# Altium PCB UPCNSL-ABS-FLS-ARD_v1.2.PcbDoC (part 2 of 2)
Units mm, origin at the board's own origin, x right, y up, seen from the top; angles counter-clockwise.
Board outline 96 x 90 mm, 2 copper layers (Top Layer, Bottom Layer), stack 1.671 mm thick; 119 components, 153 nets, 577 pads, 125 vias.
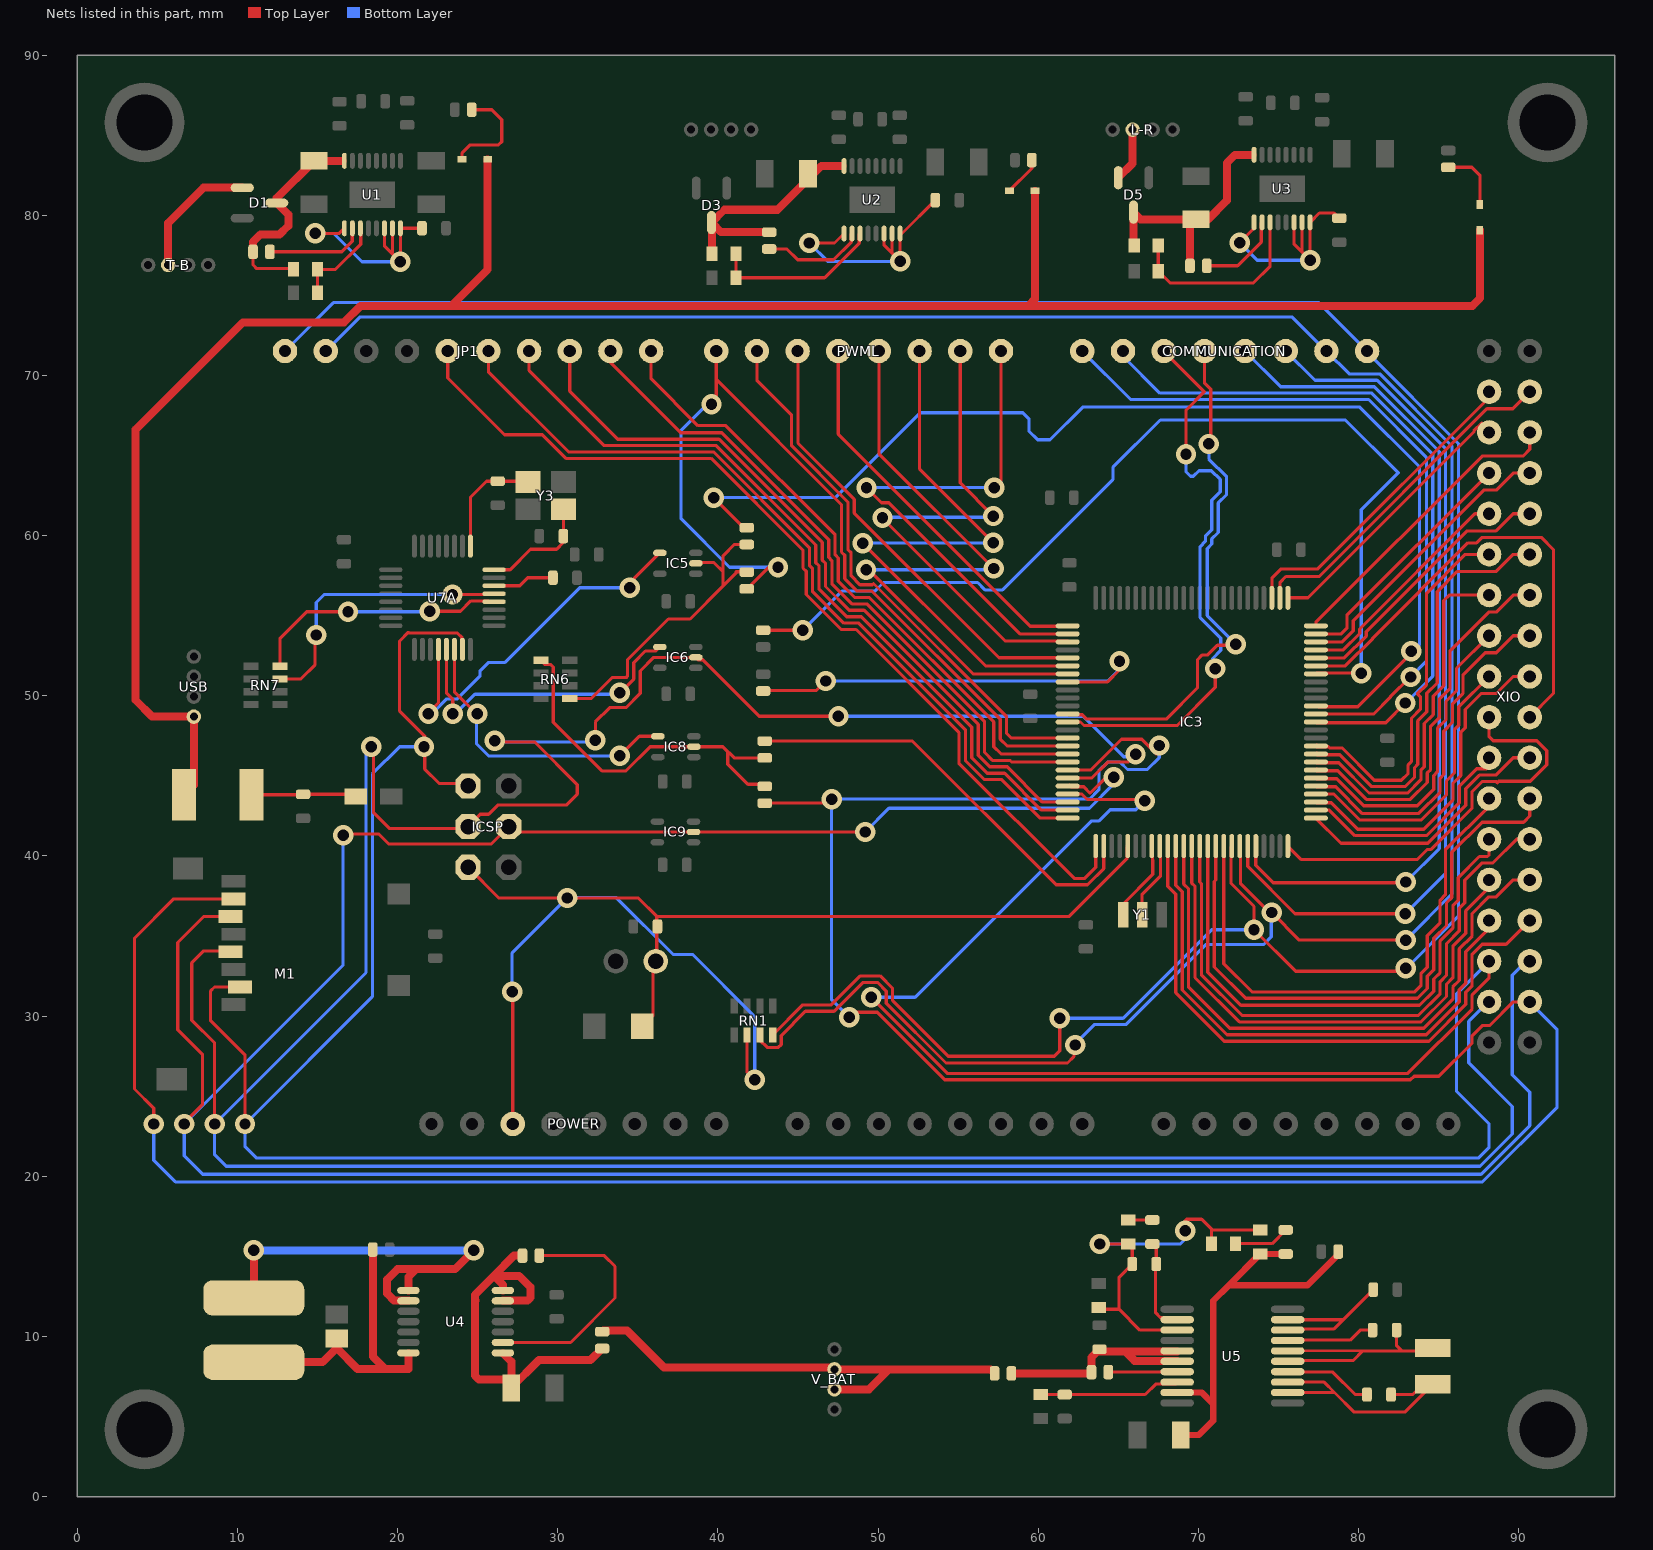
[diagram p2: the nets of this part, all layers, seen from the top]

## Via types
v1: diameter 1.27, hole 0.711, Top Layer to Bottom Layer, 125 vias

## Nets (pads, with @x,y where several pads share a name; then routed paths per layer and width w, separated by ;. In a path a pad name is that pad's centre, name@x,y a point inside that pad or via, vN(x,y) a via of type N, cw(c..) or ccw(c..) an arc to the next point about the centre after c; other vN are vias at no path point) (continued)
NetC34_2: C34.2 J5.2 J5_a.2 U5.5 U5.6 | length 15.1
  Top Layer w0.5: J5.2@58.325,7.7 63.25,7.7 J5_a.2@63.325,7.775 63.325,8.7 C34.2@63.825,9.2 63.825,9.075 65.425,9.075 ; U5.6@68.675,8.475 66.025,8.475 65.975,8.525 65.425,9.075 ; U5.5@68.675,9.075 65.425,9.075
NetC35_1: C35.1 L5.1 U5.15 U5.16 | length 17.8
  Top Layer w0.2: U5.15@75.575,8.45 75.625,8.5 79.675,8.5 80.275,9.1 82.69,9.1 ; U5.16@75.575,9.1 75.6,9.125 82.69,9.1 ; C35.1@82.375,10.4 82.375,9.415 82.69,9.1 ; L5.1@84.335,9.593 83.843,9.1 82.69,9.1
NetC35_2: C35.2 U5.17 | length 5.6
  Top Layer w0.2: U5.17@75.575,9.75 75.6,9.775 79.475,9.775 80.1,10.4 C35.2@80.875,10.4
NetC36_1: C36.1 L5.2 U5.12 U5.13 | length 16.2
  Top Layer w0.2: U5.12@75.575,6.5 78.5,6.5 ; U5.13@75.575,7.15 77.85,7.15 78.5,6.5 ; C36.1@82.025,6.375 83.388,6.375 L5.2@84.335,7.323 ; L5.2@84.625,7.015 82.885,5.275 79.725,5.275 78.5,6.5
NetC36_2: C36.2 U5.14 | length 5.5
  Top Layer w0.2: U5.14@75.575,7.8 75.6,7.775 78.4,7.775 79.8,6.375 C36.2@80.525,6.375
NetC37_2: C37.2 U5.18 U5.19 | length 9.9
  Top Layer w0.2: U5.18@75.575,10.4 75.65,10.475 78.475,10.475 79.05,11.05 ; U5.19@75.575,11.05 79.05,11.05 ; C37.2@80.925,12.925 79.05,11.05
NetC38_2: C38.2 R13.2 U5.8 | length 8.8
  Top Layer w0.2: R13.2@60.15,6.375 C38.2@61.65,6.375 66.675,6.375 67.325,7.025 68.55,7.025 U5.8@68.675,7.15
NetC39_1: C39.1 R14.1 R15.1 R16.1 R17.2 U5.3 | length 24.3
  Top Layer w0.2: R17.2@63.775,11.8 63.875,11.7 65.05,11.7 ; v1(63.85,15.775) R14.1@65.625,15.775 65.875,15.525 C39.1@65.875,14.525 65.05,13.7 65.05,11.7 ; U5.3@68.675,10.4 66.35,10.4 65.05,11.7 ; v1(69.175,16.6) 69.175,17.225 69.275,17.325 70.2,17.325 70.825,16.7 ; R16.1@70.825,15.8 70.825,16.7 ; R15.1@73.85,16.65 70.875,16.65 70.825,16.7
  Bottom Layer w0.2: v1(63.85,15.775) 68.875,15.775 69.25,16.15 69.175,16.225 v1(69.175,16.6)
NetC39_2: C39.2 C40.1 U5.2 | length 6
  Top Layer w0.2: C40.1@67.125,15.775 67.375,15.525 C39.2@67.375,14.525 67.325,14.525 67.325,11.483 67.633,11.175 68.55,11.175 U5.2@68.675,11.05
NetC40_2: C40.2 R14.2 | length 1.5
  Top Layer w0.2: R14.2@65.625,17.275 C40.2@67.125,17.275
NetC41_1: C41.1 C42.1 J5_OUT.1 R15.2 U5.9 | length 25.9
  Top Layer w0.4: U5.9@68.675,6.5 70.2,6.5 70.925,5.775 ; C42.1@68.975,3.85 70.025,3.85 70.925,4.75 70.925,5.775 ; C41.1@75.45,15.15 R15.2@73.85,15.15 71.888,13.187 ; J5_OUT.1@78.725,15.3 78.725,15.122 76.79,13.187 71.888,13.187 ; 70.925,5.775 70.925,12.225 71.888,13.187
NetC41_2: C41.2 R16.2 | length 3.5
  Top Layer w0.2: R16.2@72.325,15.8 74.6,15.8 C41.2@75.45,16.65
NetC51_1: C51.1 F2.1 L7.2 | length 6.3
  Top Layer w0.2: F2.1@10.875,43.825 C51.1@13.825,43.825 ; C51.1@14.1,43.85 17.25,43.85 L7.2@17.4,43.7
NetC52_2: C52.2 U7A.25 Y3.1 | length 6.7
  Top Layer w0.2: U7A.25@24.55,59.75 24.55,62.4 25.55,63.4 C52.2@26.25,63.4 28.1,63.4 Y3.1@28.15,63.35
NetC53_2: C53.2 U7A.24 Y3.3 | length 6.7
  Top Layer w0.2: U7A.24@26.025,57.875 27.025,57.875 28.3,59.15 29.925,59.15 C53.2@30.35,59.575 ; C53.2@30.35,59.975 Y3.3@30.35,61.65
NetC54_1: C54.1 U7A.22 | length 3.9
  Top Layer w0.2: U7A.22@26.025,56.875 27.625,56.875 28.125,57.375 C54.1@29.7,57.375
NetJ1_a_1: J1_a.1 U1.2 | length 6.2
  Top Layer w0.2: J1_a.1@12.025,77.725 16.525,77.725 17.175,78.375 U1.2@17.175,79.193
NetJ2_a_1: J2_a.1 U2.2 | length 6.4
  Top Layer w0.2: J2_a.1@43.2,77.9 44.3,77.9 44.975,77.225 47.218,77.225 48.325,78.332 48.325,78.818 U2.2@48.375,78.868
NetJ3_a_1: J3_a.1 U3.2 | length 5.3
  Top Layer w0.2: J3_a.1@70.525,76.85 72.447,76.85 73.925,78.328 73.925,79.518 U3.2@73.975,79.568
NetJ4_a_2: J4_a.2 U4.2 | length 15.1
  Top Layer w0.2: U4.2@26.575,9.625 30.8,9.625 33.575,12.4 33.575,14.375 32.9,15.05 J4_a.2@28.85,15.05
NetJ5_a_1: J5_a.1 U5.7 | length 4.3
  Top Layer w0.2: J5_a.1@64.375,7.775 68.65,7.775 U5.7@68.675,7.8
NetL4_1: L4.1 U4.8 U4.9 | length 26.7
  Top Layer w0.5: L4.1@11.025,12.408 v1(11.025,15.375) ; U4.9@20.675,12.25 19.775,12.25 19.35,12.675 19.35,13.55 20,14.2 21.15,14.2 ; U4.8@20.675,12.875 20.675,13.725 21.15,14.2 ; v1(24.75,15.375) 23.575,14.2 21.15,14.2
  Bottom Layer w0.5: v1(11.025,15.375) v1(24.75,15.375)
NetR1_1: R1.1 R2.2 U1.3 | length 5.8
  Top Layer w0.2: R2.2@15,75.175 R1.1@15,76.625 16.125,76.625 17.7,78.2 17.7,79.168 U1.3@17.675,79.193
NetR5_1: R5.1 R6.2 U2.3 | length 10.7
  Top Layer w0.2: R5.1@41.125,77.6 R6.2@41.125,76.1 46.659,76.1 48.825,78.266 48.825,78.818 U2.3@48.875,78.868
NetR9_1: R9.1 R10.2 U3.3 | length 12.1
  Top Layer w0.2: R9.1@67.495,78.117 R10.2@67.495,76.517 68.236,75.775 73.425,75.775 74.475,76.825 U3.3@74.475,79.568
NetRN7_2: RN7.2 U7A.20 | length 16.1
  Top Layer w0.2: RN7.2@12.65,51.85 12.65,53.575 14.325,55.25 v1(16.9,55.25) ; v1(22,55.275) 23.925,55.275 24.575,55.925 25.625,55.925 25.675,55.875 U7A.20@26.025,55.875
  Bottom Layer w0.2: v1(16.9,55.25) v1@22,55.25
NetRN7_4: RN7.4 U7A.21 | length 17.8
  Top Layer w0.2: RN7.4@12.65,51.05 13.95,51.05 14.85,51.95 14.85,53.725 v1(14.925,53.8) ; v1(23.425,56.325) 25.975,56.325 U7A.21@26.025,56.375
  Bottom Layer w0.2: v1(14.925,53.8) 14.925,55.825 15.425,56.325 v1(23.425,56.325)
OUT_3V3: C33.1 J4_OUT.1 L4.2 U4.14 | length 19.3
  Top Layer w0.5: L4.2@11.025,8.392 15.317,8.392 16.2,9.275 17.5,7.975 19.225,7.975 ; J4_OUT.1@18.45,15.425 18.45,8.75 19.225,7.975 ; U4.14@20.675,8.95 20.675,7.975 19.225,7.975
PA0: IC3.78 XIO.3 | length 19.8
  Top Layer w0.2: IC3.78@74.588,56.118 74.588,57.346 75.167,57.925 77.45,57.925 88.153,68.628 XIO.3@88.153,68.988
PA1: IC3.77 XIO.4 | length 21.5
  Top Layer w0.2: IC3.77@75.088,56.118 75.088,57.072 75.466,57.45 77.541,57.45 88.017,67.926 89.631,67.926 XIO.4@90.693,68.988
PA2: IC3.76 XIO.5 | length 17.4
  Top Layer w0.2: IC3.76@75.588,56.118 76.843,56.118 87.2,66.475 87.2,66.544 87.691,67.034 88.153,66.572 XIO.5@88.153,66.448
PA3: IC3.75 XIO.6 | length 19.1
  Top Layer w0.2: IC3.75@77.338,54.368 77.338,54.595 87.713,64.97 90.27,64.97 90.693,65.393 XIO.6@90.693,66.448
PA4: IC3.74 XIO.7 | length 15.4
  Top Layer w0.2: IC3.74@77.338,53.868 78.918,53.868 79.275,54.225 79.275,55.03 XIO.7@88.153,63.908
PA5: IC3.73 XIO.8 | length 18.1
  Top Layer w0.2: IC3.73@77.338,53.368 78.984,53.368 79.675,54.059 79.675,54.7 87.821,62.846 88.593,62.846 89.655,63.908 XIO.8@90.693,63.908
PA6: IC3.72 XIO.9 | length 14.5
  Top Layer w0.2: IC3.72@77.338,52.868 79.05,52.868 80.075,53.894 80.075,54.175 87.268,61.368 XIO.9@88.153,61.368
PA7: IC3.71 XIO.10 | length 17.2
  Top Layer w0.2: IC3.71@77.338,52.368 79.115,52.368 80.475,53.728 80.475,53.997 86.778,60.3 88.587,60.3 89.655,61.368 XIO.10@90.693,61.368
PB0_SS: IC3.19 J7_a.2 M1.2 XIO.34 | length 214
  Top Layer w0.2: v1(4.775,23.268) 4.775,24.25 3.575,25.45 3.575,34.875 6.019,37.319 M1.2@9.762,37.319 ; J7_a.2@42.925,43.3 46.85,43.3 v1(47.1,43.55) ; v1(48.2,29.925) 48.515,30.24 49.944,30.24 54.159,26.025 83.241,26.025 83.466,26.25 85.017,26.25 87.091,28.324 87.091,28.788 87.713,29.41 88.177,29.41 89.655,30.888 XIO.34@90.693,30.888 ; IC3.19@61.838,45.368 63.28,45.368 65.199,47.287 66.466,47.287 v1@67.375,46.378
  Bottom Layer w0.2: v1(4.775,23.268) 4.775,21 6.125,19.65 87.741,19.65 92.4,24.309 92.4,29.15 90.693,30.857 XIO.34@90.693,30.888 ; v1(48.2,29.925) 47.1,31.025 v1(47.1,43.55) 63.203,43.55 63.79,44.137 63.79,45.312 64.338,45.86 65.112,45.86 65.572,45.4 66.807,45.4 67.55,46.143 v1(67.55,46.9)
PB1_SCK: IC3.20 IC6.2 ICSP.3 M1.5 XIO.33 | length 211.9
  Top Layer w0.2: v1(8.575,23.268) 8.575,28.325 7.15,29.75 7.15,33.325 7.9,34.075 9.507,34.075 M1.5@9.562,34.019 ; v1@18.5,46.825 18.5,42.7 19.475,41.725 24.29,41.725 ICSP.3@24.4,41.835 25.165,42.6 25.682,42.6 26.257,43.175 30.525,43.175 31.213,43.862 31.213,44.46 28.547,47.125 26.154,47.125 v1(26.076,47.202) ; v1(32.35,47.225) 32.35,48.375 33.242,49.267 34.262,49.267 35.15,50.155 35.15,51.55 36,52.4 IC6.2@38.625,52.4 38.775,52.25 39.057,52.25 42.582,48.725 v1(47.525,48.725) ; IC3.20@61.838,44.868 63.346,44.868 64.338,45.86 65.586,45.86 v1(66.078,46.352)
  Bottom Layer w0.2: v1@18.35,46.9 18.35,46.875 18.025,46.55 18.025,32.718 v1(8.575,23.268) 8.575,21.35 9.3,20.625 87.584,20.625 89.6,22.641 89.6,24.361 86.875,27.086 86.875,29.675 88.088,30.888 XIO.33@88.153,30.888 ; v1(26.076,47.202) 26.076,47.126 32.376,47.126 32.475,47.225 v1(32.35,47.225) ; v1(47.525,48.725) 62.813,48.725 65.342,46.195 66.235,46.195 v1(66.078,46.352)
  other v1: 18.35,46.825
PB2_MOSI: IC3.21 IC9.2 ICSP.4 M1.3 XIO.32 | length 191.7
  Top Layer w0.2: v1(6.675,23.268) 6.675,23.35 7.825,24.5 7.825,27.6 6.275,29.15 6.275,34.6 7.894,36.219 M1.3@9.562,36.219 ; v1(16.6,41.3) 16.675,41.375 18.825,41.375 19.452,40.748 25.853,40.748 ICSP.4@26.94,41.835 27.275,41.5 IC9.2@38.475,41.5 v1(49.2,41.5) ; IC3.21@61.95,44.418 62.05,44.318 62.841,44.318 63.235,43.925 64.235,44.925 v1(64.725,44.925)
  Bottom Layer w0.2: v1(16.6,41.3) 16.6,33.193 v1(6.675,23.268) 6.675,21.275 7.825,20.125 87.65,20.125 90.693,23.168 90.693,25.242 89.6,26.335 89.6,32.55 90.478,33.428 XIO.32@90.693,33.428 ; v1(49.2,41.5) 50.675,42.975 63.2,42.975 64.725,44.5 v1(64.725,44.925)
PB3_MISO: IC3.22 ICSP.1 M1.7 U7A.15 XIO.31 | length 221.7
  Top Layer w0.2: M1.7@10.162,31.819 8.569,31.819 8.325,31.575 8.325,29.717 10.475,27.567 v1(10.475,23.268) ; U7A.15@24.075,52.875 U7A.15@24.05,52.9 24,52.95 24,53.661 23.736,53.925 20.7,53.925 20.662,53.962 20.125,53.425 20.125,49.05 21.7,47.475 21.7,45.425 22.6,44.525 24.25,44.525 ICSP.1@24.4,44.375 ; v1(49.575,31.175) 54.325,26.425 83.075,26.425 87.091,30.441 87.091,31.328 88.153,32.39 XIO.31@88.153,33.428 ; IC3.22@61.838,43.868 62.726,43.868 63.069,43.525 66.575,43.525 v1(66.65,43.45)
  Bottom Layer w0.2: v1(21.65,46.825) 20.125,46.825 18.425,45.125 18.425,31.218 v1(10.475,23.268) 10.475,21.85 11.175,21.15 87.5,21.15 88.153,21.803 88.153,23.268 86.125,25.296 86.125,31.4 XIO.31@88.153,33.428 ; v1(49.575,31.175) 52.314,31.175 63.329,42.19 63.802,42.19 64.495,42.883 66.083,42.883 v1(66.65,43.45)
PB4: IC3.23 JP1.8 | length 46.8
  Top Layer w0.2: JP1.8@30.749,71.528 30.749,69.026 33.75,66.025 40.072,66.025 46.515,59.582 46.515,58.475 46.715,58.275 46.715,56.825 48.2,55.34 49.126,55.34 56.25,48.216 56.25,46.294 56.975,45.568 58.063,45.568 60.263,43.368 IC3.23@61.838,43.368
PB5: IC3.24 JP1.7 | length 48.8
  Top Layer w0.2: JP1.7@28.209,71.528 28.209,70.309 32.893,65.625 39.906,65.625 46.115,59.416 46.115,58.309 46.315,58.109 46.315,56.659 48.034,54.94 48.96,54.94 55.85,48.05 55.85,46.128 56.81,45.168 57.897,45.168 60.197,42.868 IC3.24@61.838,42.868
PB6: IC3.25 JP1.6 | length 51.6
  Top Layer w0.2: JP1.6@25.669,71.528 25.669,70.231 30.675,65.225 39.741,65.225 45.715,59.251 45.715,58.144 45.915,57.944 45.915,56.494 47.869,54.54 48.794,54.54 55.45,47.884 55.45,45.962 56.644,44.768 57.732,44.768 60.132,42.368 IC3.25@61.838,42.368
PB7: IC3.26 JP1.5 | length 59.3
  Top Layer w0.2: JP1.5@23.129,71.528 23.129,69.846 26.675,66.3 29.034,66.3 30.509,64.825 39.575,64.825 45.315,59.085 45.315,57.978 45.515,57.778 45.515,56.328 47.703,54.14 48.629,54.14 55.05,47.719 55.05,45.797 62.247,38.6 62.9,38.6 63.588,39.288 IC3.26@63.588,40.618
PC0: IC3.53 XIO.18 | length 20.9
  Top Layer w0.2: IC3.53@77.338,43.368 77.388,43.318 78.297,43.318 79.941,41.675 84.075,41.675 85.891,43.491 85.891,43.65 85.891,44.525 86.385,45.019 86.385,47.728 86.66,48.003 86.66,49.149 87.657,50.146 88.593,50.146 89.655,51.208 XIO.18@90.693,51.208
PC1: IC3.54 XIO.17 | length 18
  Top Layer w0.2: IC3.54@77.338,43.868 78.457,43.868 80.075,42.25 83.925,42.25 85.491,43.816 85.491,43.825 85.491,44.691 85.985,45.185 85.985,47.894 86.26,48.169 86.26,49.315 XIO.17@88.153,51.208
PC2: IC3.55 XIO.16 | length 22.1
  Top Layer w0.2: IC3.55@77.338,44.368 77.388,44.318 78.572,44.318 80.241,42.65 83.759,42.65 83.759,42.659 85.091,43.991 85.091,44.856 85.325,45.09 85.325,47.799 85.86,48.334 85.86,49.485 86.516,50.141 86.516,51.291 87.911,52.686 88.593,52.686 89.655,53.748 XIO.16@90.693,53.748
PC3: IC3.56 XIO.15 | length 19.5
  Top Layer w0.2: IC3.56@77.338,44.868 77.388,44.818 78.638,44.818 80.324,43.133 83.667,43.133 84.691,44.157 84.691,44.425 84.691,45.022 84.925,45.256 84.925,47.965 85.46,48.5 85.46,49.651 86.116,50.306 86.116,51.711 XIO.15@88.153,53.748
PC4: IC3.57 XIO.14 | length 23.5
  Top Layer w0.2: IC3.57@77.388,45.418 IC3.57@77.338,45.368 77.388,45.318 78.704,45.318 80.489,43.533 83.233,43.533 84.291,44.591 84.291,45.188 84.5,45.397 84.5,48.106 85.06,48.666 85.06,49.816 85.716,50.472 85.716,52.813 88.129,55.226 88.593,55.226 89.655,56.288 XIO.14@90.693,56.288
PC5: IC3.58 XIO.13 | length 22.5
  Top Layer w0.2: IC3.58@77.388,45.918 IC3.58@77.338,45.868 77.388,45.818 78.769,45.818 80.655,43.933 83.067,43.933 83.891,44.757 83.891,45.353 84.1,45.562 84.1,48.271 84.66,48.831 84.66,49.982 85.316,50.638 85.316,55.95 85.654,56.288 XIO.13@88.153,56.288
PC6: IC3.59 XIO.12 | length 26.3
  Top Layer w0.2: IC3.59@77.338,46.368 77.388,46.418 77.388,46.35 77.419,46.318 78.835,46.318 80.821,44.333 82.901,44.333 83.491,44.922 83.491,45.519 83.7,45.728 83.7,48.437 84.26,48.997 84.26,50.103 84.238,50.125 84.916,50.803 84.916,56.509 86.172,57.766 88.593,57.766 89.655,58.828 XIO.12@90.693,58.828
PC7: IC3.60 XIO.11 | length 23.7
  Top Layer w0.2: IC3.60@77.338,46.868 77.388,46.918 77.388,46.818 78.124,46.818 78.192,46.75 78.969,46.75 80.986,44.733 82.675,44.733 83.091,45.149 83.091,45.685 83.3,45.894 83.3,48.615 83.312,48.615 83.86,49.163 83.86,49.937 83.672,50.125 84.25,50.703 84.25,56.409 86.669,58.828 XIO.11@88.153,58.828
PD7: IC3.50 XIO.19 | length 25.7
  Top Layer w0.2: IC3.50@75.588,40.618 76.431,39.775 83.65,39.775 84.275,40.4 84.497,40.4 87.091,42.994 87.091,44.028 87.713,44.65 88.593,44.65 88.668,44.575 88.759,44.666 90.733,44.666 91.755,45.688 91.755,46.568 91.133,47.19 88.412,47.19 88.153,47.449 XIO.19@88.153,48.668
PE0: IC3.2 PWML.1 | length 33
  Top Layer w0.2: v1(49.275,63) 50.215,62.06 50.662,62.06 58.854,53.868 IC3.2@61.838,53.868 ; v1(57.25,63) 57.673,63.423 PWML.1@57.673,71.528
  Bottom Layer w0.2: v1(49.275,63) v1(57.25,63)
PE1: IC3.3 PWML.2 | length 32.2
  Top Layer w0.2: 50.712,60.662 57.957,53.418 IC3.3@61.838,53.418 ; PWML.2@55.133,71.528 55.133,63.292 v1(57.2,61.225)
  Bottom Layer w0.2: v1@50.275,61.15 57.125,61.15 v1(57.2,61.225)
  other v1: 50.275,61.125
PE3: IC3.5 PWML.6 | length 28.7
  Top Layer w0.2: PWML.6@44.973,71.528 45,71.501 45,65.781 48.515,62.266 48.515,61.41 57.55,52.375 61.831,52.375 IC3.5@61.838,52.368
PE4: IC3.6 PWML.3 | length 38
  Top Layer w0.2: v1(49.05,59.525) 56.707,51.868 IC3.6@61.838,51.868 ; PWML.3@52.593,71.528 52.593,64.157 v1(57.2,59.55)
  Bottom Layer w0.2: v1(49.05,59.525) 49.075,59.55 v1(57.2,59.55)
PE5: IC3.7 PWML.4 | length 39.8
  Top Layer w0.2: v1(49.25,57.875) 49.419,57.875 55.926,51.368 IC3.7@61.838,51.368 ; PWML.4@50.053,71.528 50.053,65.122 v1(57.225,57.95)
  Bottom Layer w0.2: v1(49.25,57.875) 57.15,57.875 v1(57.225,57.95)
PE6: IC3.8 J8_b.2 | length 27.4
  Top Layer w0.2: J8_b.2@42.825,50.3 42.825,50.335 46.135,50.335 v1(46.725,50.925) ; IC3.8@61.838,50.868 64.332,50.868 65.075,51.612 v1(65.075,52.15)
  Bottom Layer w0.2: v1(46.725,50.925) 64.325,50.925 65.075,51.675 v1(65.075,52.15)
PG0: IC3.51 XIO.22 | length 16.8
  Top Layer w0.2: IC3.51@77.338,42.368 78.906,40.8 84.331,40.8 86.691,43.16 86.691,44.194 87.547,45.05 88.577,45.05 89.655,46.128 XIO.22@90.693,46.128
PG1: IC3.52 XIO.21 | length 14.7
  Top Layer w0.2: IC3.52@77.338,42.868 78.182,42.868 79.775,41.275 84.241,41.275 86.291,43.325 86.291,44.359 87.382,45.45 87.975,45.45 88.006,45.481 88.006,46.275 XIO.21@88.153,46.128
PG2: IC3.70 XIO.20 | length 29.6
  Top Layer w0.2: IC3.70@77.338,51.868 79.181,51.868 80.875,53.562 80.875,53.6 86.825,59.55 87.373,59.55 87.713,59.89 91.41,59.89 92.175,59.125 92.175,50.15 XIO.20@90.693,48.668
PG5: IC3.1 PWML.5 | length 24.5
  Top Layer w0.2: PWML.5@47.513,71.528 47.513,66.34 59.503,54.35 61.819,54.35 IC3.1@61.838,54.368
PH3: IC3.15 PWML.7 | length 34.9
  Top Layer w0.2: PWML.7@42.433,71.528 42.433,69.692 44.6,67.525 44.6,65.616 48.115,62.101 48.115,59.138 48.315,58.938 48.315,57.488 48.863,56.94 49.637,56.94 49.713,57.016 58.025,48.703 58.025,47.65 58.307,47.368 IC3.15@61.838,47.368 IC3.15@61.788,47.318
PH4: IC3.16 J6_a.2 PWML.8 | length 56.1
  Top Layer w0.2: v1(39.6,68.2) 39.6,68.475 39.893,68.768 39.893,69.757 ; PWML.8@39.893,71.528 39.893,69.757 ; J6_a.2@41.8,56.675 41.836,56.675 43.186,58.025 v1(43.75,58.025) ; IC3.16@61.838,46.868 58.057,46.868 57.625,47.3 57.625,48.538 49.623,56.54 48.697,56.54 47.915,57.322 47.915,58.772 47.715,58.972 47.715,61.935 39.893,69.757
  Bottom Layer w0.2: v1(39.6,68.2) 39.325,68.2 37.7,66.575 37.7,61.05 40.725,58.025 v1(43.75,58.025)
PH5: IC3.17 JP1.10 | length 39.9
  Top Layer w0.2: JP1.10@35.829,71.528 35.829,69.796 38.75,66.875 40.5,66.875 47.315,60.06 47.315,58.806 47.515,58.606 47.515,57.156 48.531,56.14 49.457,56.14 57.225,48.372 57.225,46.825 57.682,46.368 IC3.17@61.838,46.368
PH6: IC3.18 JP1.9 | length 42.2
  Top Layer w0.2: JP1.9@33.289,71.528 33.289,70.817 37.681,66.425 40.238,66.425 46.915,59.748 46.915,58.641 47.115,58.441 47.115,56.991 48.366,55.74 49.291,55.74 56.65,48.381 56.65,46.459 57.141,45.968 58.229,45.968 58.329,45.868 IC3.18@61.838,45.868
PH7: IC3.27 J7_b.2 | length 26.7
  Top Layer w0.2: J7_b.2@42.925,47.175 52.147,47.175 61.122,38.2 63.066,38.2 63.116,38.25 63.125,38.25 64.088,39.213 IC3.27@64.088,40.618
PJ2: IC3.65 J6_b.2 | length 71.8
  Top Layer w0.2: v1(39.75,62.375) 41.625,60.5 J6_b.2@41.8,60.5 ; IC3.65@77.5,49.318 78.341,49.318 79.963,49.318 83.3,52.655 v1(83.3,52.775)
  Bottom Layer w0.2: v1(39.75,62.375) 47.328,62.375 52.628,67.675 59.034,67.675 59.415,67.294 59.415,66.538 59.963,65.99 60.737,65.99 62.772,68.025 80.075,68.025 83.81,64.29 83.81,53.165 v1@83.3,52.655
PJ6: IC3.69 J8_a.2 | length 63.6
  Top Layer w0.2: J8_a.2@42.825,54.1 v1(45.3,54.1) ; IC3.69@77.338,51.368 77.388,51.418 v1(80.175,51.418)
  Bottom Layer w0.2: v1(45.3,54.1) 47.74,56.54 49.803,56.54 50.338,57.075 56.212,57.075 56.672,56.615 57.778,56.615 64.665,63.502 64.665,64.262 67.628,67.225 79.175,67.225 82.475,63.925 80.175,61.625 v1(80.175,51.418)
PL0: IC3.35 XIO.30 | length 37.4
  Top Layer w0.2: IC3.35@68.088,40.618 68.088,38.112 68.591,37.609 68.591,31.469 71.62,28.439 84.399,28.439 86.691,30.731 86.691,31.494 87.091,31.894 87.091,33.868 87.713,34.49 89.215,34.49 XIO.30@90.693,35.968
PL1: IC3.36 XIO.29 | length 35
  Top Layer w0.2: IC3.36@68.588,40.618 68.588,38.178 68.991,37.775 68.991,31.634 71.786,28.839 84.233,28.839 86.291,30.897 86.291,31.659 86.691,32.059 86.691,34.034 88.625,35.968 XIO.29@88.153,35.968
PL2: IC3.37 XIO.28 | length 37.6
  Top Layer w0.2: IC3.37@69.088,40.618 69.088,38.244 69.391,37.941 69.391,31.8 71.952,29.239 84.067,29.239 85.891,31.063 85.891,31.825 86.291,32.225 86.291,34.199 87.091,34.999 87.091,36.408 88.129,37.446 88.593,37.446 89.655,38.508 XIO.28@90.693,38.508
PL3: IC3.38 XIO.27 | length 34.2
  Top Layer w0.2: IC3.38@69.588,40.618 69.588,38.309 69.791,38.106 69.791,32.409 72.561,29.639 83.902,29.639 85.491,31.228 85.491,31.991 85.891,32.391 85.891,34.365 86.691,35.165 86.691,36.574 88.153,38.036 XIO.27@88.153,38.508
PL4: IC3.39 XIO.26 | length 37.5
  Top Layer w0.2: IC3.39@70.088,40.618 70.088,38.375 70.191,38.272 70.191,32.575 72.727,30.039 83.736,30.039 85.091,31.394 85.091,32.156 85.491,32.556 85.491,34.531 86.291,35.331 86.291,36.739 86.625,37.073 86.625,38.482 87.713,39.57 88.395,39.57 89.873,41.048 XIO.26@90.693,41.048
PL5: IC3.40 XIO.25 | length 34.4
  Top Layer w0.2: IC3.40@70.588,40.618 70.588,38.441 70.591,38.438 70.591,32.741 72.656,30.675 83.806,30.675 84.691,31.56 84.691,32.322 85.091,32.722 85.091,34.696 85.891,35.496 85.891,36.905 86.225,37.239 86.225,38.648 87.547,39.97 88.05,39.97 88.153,40.073 XIO.25@88.153,41.048
PL6: IC3.41 XIO.24 | length 38
  Top Layer w0.2: IC3.41@71.088,40.618 71.088,38.506 70.991,38.409 70.991,33.069 72.945,31.114 83.68,31.114 84.291,31.725 84.291,32.488 84.691,32.888 84.691,34.862 85.491,35.662 85.491,37.071 85.825,37.405 85.825,40.222 87.713,42.11 90.304,42.11 90.693,42.499 XIO.24@90.693,43.588
PL7: IC3.42 XIO.23 | length 34
  Top Layer w0.2: IC3.42@71.588,40.618 71.588,33.272 73.345,31.514 83.514,31.514 83.891,31.891 83.891,32.653 84.291,33.053 84.291,35.028 85.091,35.828 85.091,37.236 85.425,37.57 85.425,40.388 88.153,43.116 XIO.23@88.153,43.588
PVIN: C31.1 J4.2 J4_a.1 U4.1 U4.6 U4.7 | length 26.2
  Top Layer w0.5: 24.85,12.25 24.825,12.225 ; C31.1@26.575,7.3 25.075,7.3 24.825,7.55 24.825,12.225 ; U4.1@26.575,8.95 27.1,8.425 C31.1@27.1,6.775 27.1,6.8 28.825,8.525 32.05,8.525 J4.2@32.775,9.25 ; U4.6@26.575,12.25 28.125,12.25 28.3,12.425 28.3,13.075 27.588,13.787 26.012,13.787 ; U4.7@26.575,12.875 26.575,13.225 26.012,13.787 ; J4_a.1@27.8,15.05 27.275,15.05 26.012,13.787 ; 24.825,12.225 24.825,12.6 26.012,13.787
PWM_3: C26.2 U3.1 U3.6 U3.7 U3.8 | length 15.7
  Top Layer w0.2: v1(72.575,78.3) 73.475,79.2 U3.1@73.475,79.568 ; U3.6@75.975,79.568 75.975,78.2 76.475,77.7 ; U3.7@76.475,79.568 76.475,77.7 ; C26.2@78.8,79.825 78.475,80.15 77.557,80.15 U3.8@76.975,79.568 v1(76.975,77.2) 76.475,77.7
  Bottom Layer w0.2: v1(72.575,78.3) 73.675,77.2 v1(76.975,77.2)
R: D5.2 L-R.2 | length 3.4
  Top Layer w0.5: D5.2@65,82.35 65.895,83.245 L-R.2@65.895,85.35
RESET: C43.1 D7.A IC3.30 ICSP.5 POWER.3 RESET.1 RN1.6 | length 89.2
  Top Layer w0.2: ICSP.5@24.4,39.295 26.32,37.375 v1(30.6,37.375) 35.025,37.375 36.175,36.225 ; v1(27.15,31.525) 27.193,31.482 POWER.3@27.193,23.268 ; D7.A@35.275,29.375 35.95,30.05 35.95,32.825 36.175,33.05 36.175,34.975 36.175,36.225 ; RN1.6@41.825,28.825 41.825,26.5 v1(42.3,26.025) ; IC3.30@65.588,40.618 65.538,40.568 65.538,39.832 61.931,36.225 36.175,36.225
  Bottom Layer w0.2: v1(27.15,31.525) 27.15,33.95 30.6,37.4 33.656,37.4 37.206,33.85 38.425,33.85 42.3,29.975 v1(42.3,26.025)
RST_3V3: IC5.4 U7A.12 | length 23.7
  Top Layer w0.2: v1@21.925,48.925 22.55,49.55 U7A.12@22.55,52.9 ; v1@34.5,56.275 v1(34.5,56.75) 34.5,57.05 IC5.4@36.375,58.925
  Bottom Layer w0.2: v1@21.925,48.925 22.178,48.925 23.063,49.81 23.735,49.81 25.14,51.215 25.14,51.537 25.688,52.085 26.71,52.085 31.375,56.75 v1(34.5,56.75)
  other v1: 21.925,48.875
RST_5V: IC5.2 J6_a.1 J6_b.1 RN6.1 | length 20.3
  Top Layer w0.2: RN6.1@30.75,49.825 32.077,49.825 33.389,51.137 34.275,51.137 34.35,51.212 34.35,52.24 36.91,54.8 38.261,54.8 40.325,56.864 ; IC5.2@38.925,58.35 38.95,58.325 39.75,58.325 40.325,57.75 ; J6_a.1@41.8,57.725 41.775,57.75 41.143,57.75 41.143,57.682 40.325,56.864 ; J6_b.1@41.8,59.45 41.025,59.45 40.325,58.75 40.325,57.75 ; 40.325,56.864 40.325,57.75
RXD1: COMMUNICATION.3 IC3.45 | length 55.4
  Top Layer w0.2: IC3.45@73.088,40.618 73.088,39.347 76.035,36.4 v1@83.375,36.4
  Bottom Layer w0.2: COMMUNICATION.3@75.453,71.528 77.281,69.7 81.156,69.7 85.435,65.421 85.435,38.91 v1(82.925,36.4)
RXD2: COMMUNICATION.5 IC3.12 | length 33.7
  Top Layer w0.2: IC3.12@61.854,48.852 61.888,48.818 62.757,48.818 63.025,48.55 68,48.55 69.943,50.493 69.943,52.265 70.221,52.543 70.566,52.543 71.113,53.09 ; COMMUNICATION.5@70.373,71.528 70.373,69.554 70.775,69.152 70.775,65.85 v1(70.653,65.728) ; 71.113,53.091 71.185,53.163 v1@72.28,53.163
  Bottom Layer w0.2: v1(70.653,65.728) 70.653,64.785 71.76,63.678 71.76,62.572 71.235,62.047 71.235,60.197 70.835,59.797 70.835,59.479 70.55,59.194 70.55,55.008 v1(72.329,53.228)
RXD3: COMMUNICATION.7 IC3.63 | length 44.6
  Top Layer w0.2: IC3.63@77.338,48.368 77.388,48.318 81.693,48.318 v1(82.925,49.55)
  Bottom Layer w0.2: COMMUNICATION.7@65.293,71.528 65.293,71.207 67.6,68.9 80.825,68.9 84.635,65.09 84.635,51.235 v1@82.95,49.55
SCK_3V3: IC6.4 U7A.13 | length 19.7
  Top Layer w0.2: U7A.13@23.1,52.85 U7A.13@23.05,52.9 23.05,50.184 23.45,49.784 v1(23.45,48.875) ; v1@33.777,50.202 v1@33.777,50.248 ; v1(33.875,50.202) 33.906,50.202 34.75,51.047 34.75,52.074 35.476,52.8 36.125,52.8 IC6.4@36.375,53.05
  Bottom Layer w0.2: v1(23.45,48.875) 23.603,48.875 24.828,50.1 33.7,50.1 33.85,50.25 33.824,50.25 v1@33.777,50.202
SCL: COMMUNICATION.1 IC3.43 JP1.1 RN1.2 | length 167.6
  Top Layer w0.2: RN1.2@43.425,28.825 45.3,30.7 47.087,30.7 48.897,32.51 50.128,32.51 50.91,31.728 50.91,30.971 54.381,27.5 61.008,27.5 61.35,27.842 v1(61.35,29.875) ; IC3.43@72.088,40.618 72.038,40.568 72.038,38.287 73.475,36.85 v1(73.475,35.4) 76.075,32.8 82.75,32.8 v1@83.125,33.175
  Bottom Layer w0.2: JP1.1@12.969,71.528 15.991,74.55 77.511,74.55 COMMUNICATION.1@80.533,71.528 80.533,71.455 86.235,65.753 86.235,36.235 v1@82.975,32.975 ; v1(61.35,29.875) 65.3,29.875 70.825,35.4 v1(73.475,35.4)
  other v1: 82.95,33
SDA: COMMUNICATION.2 IC3.44 JP1.2 RN1.4 | length 163.2
  Top Layer w0.2: RN1.4@42.625,28.825 42.625,28.501 43.076,28.05 43.774,28.05 43.95,28.226 43.95,28.784 45.466,30.3 47.253,30.3 49.063,32.11 49.962,32.11 50.51,31.562 50.51,30.806 54.241,27.075 61.825,27.075 62.225,27.475 62.225,28.123 v1(62.303,28.201) ; IC3.44@72.638,40.618 72.638,38.262 74.425,36.475 v1(74.575,36.475) 76.3,34.75 v1(82.95,34.75)
  Bottom Layer w0.2: JP1.2@15.509,71.528 17.631,73.65 75.871,73.65 COMMUNICATION.2@77.993,71.528 79.421,70.1 81.322,70.1 85.835,65.587 85.835,37.635 v1(82.95,34.75) ; v1(62.303,28.201) 62.275,28.229 62.275,28.25 63.5,29.475 65.466,29.475 70.456,34.465 74.065,34.465 74.55,34.95 74.55,36.475 v1@74.225,36.475
SS_3V3: IC8.4 U7A.14 | length 19
  Top Layer w0.2: U7A.14@23.55,52.9 23.55,50.25 v1@24.925,48.875 ; v1(33.875,46.251) 35.099,47.475 IC8.4@36.25,47.475
  Bottom Layer w0.2: v1@24.925,48.875 24.925,47 25.675,46.25 33.675,46.25 33.722,46.335 v1@33.95,46.75
  other v1: 24.975,48.875
SS_MAX5: IC8.2 J7_a.1 J7_b.1 RN6.8 | length 23.4
  Top Layer w0.2: RN6.8@28.95,52.225 29.225,51.95 29.575,51.95 29.725,51.8 29.725,48.35 32.759,45.316 34.262,45.316 35.771,46.825 IC8.2@38.5,46.825 40.313,46.825 41.013,46.125 J7_b.1@42.925,46.125 ; 40.619,46.519 40.619,45.731 41.875,44.475 42.8,44.475 J7_a.1@42.925,44.35
TOP: D1.1 T-B.3 | length 8.2
  Top Layer w0.5: T-B.3@5.675,76.9 5.675,79.525 7.875,81.725 D1.1@10.3,81.725
TXD1: COMMUNICATION.4 IC3.46 | length 53.2
  Top Layer w0.2: IC3.46@73.588,40.618 73.588,39.413 74.676,38.325 v1@82.7,38.325
  Bottom Layer w0.2: COMMUNICATION.4@72.913,71.528 75.141,69.3 80.991,69.3 85.035,65.256 85.035,40.46 v1(82.95,38.375)
TXD2: COMMUNICATION.6 IC3.13 | length 36.3
  Top Layer w0.2: IC3.13@61.838,48.368 62.641,48.368 62.859,48.15 68.675,48.15 71.053,50.528 v1(71.053,51.703) ; COMMUNICATION.6@67.833,71.528 70.375,68.986 69.225,67.836 v1(69.225,65.075)
  Bottom Layer w0.2: v1(69.225,65.075) 69.225,63.997 69.51,63.712 69.69,63.712 70.038,64.06 70.812,64.06 71.36,63.512 71.36,62.738 70.835,62.213 70.835,60.363 70.435,59.963 70.435,59.644 70.109,59.318 70.109,54.882 71.394,53.597 71.394,52.84 70.878,52.325 71.053,52.15 v1(71.053,51.703)
TXD3: COMMUNICATION.8 IC3.64 | length 45.2
  Top Layer w0.2: IC3.64@77.338,48.868 80.943,48.868 81.99,49.915 81.99,49.937 83.228,51.175 v1(83.25,51.175)
  Bottom Layer w0.2: COMMUNICATION.8@62.753,71.528 65.781,68.5 80.625,68.5 84.235,64.89 84.235,52.16 v1(83.25,51.175)
USBVCC: D2.K D4.K D6.K F2.2 USB.1 | length 135.1
  Top Layer w0.5: F2.2@6.675,43.825 7.275,44.425 USB.1@7.275,48.7 4.675,48.7 3.65,49.725 3.65,66.625 10.35,73.325 16.65,73.325 17.675,74.35 23.35,74.35 ; D2.K@25.625,83.5 25.625,76.625 23.35,74.35 ; D4.K@59.8,81.525 59.8,74.775 59.375,74.35 ; D6.K@87.575,79.075 87.575,74.825 87.1,74.35 59.375,74.35 ; 23.35,74.35 59.375,74.35
V_BAT: J4.1 J5.1 V_BAT.2 V_BAT.3 | length 29.6
  Top Layer w0.5: J4.1@32.775,10.3 32.85,10.375 34.325,10.375 36.64,8.06 47.165,8.06 V_BAT.2@47.275,7.95 50.675,7.95 ; V_BAT.3@47.275,6.7 49.425,6.7 50.675,7.95 ; J5.1@57.275,7.7 57.025,7.95 50.675,7.95
VCC_1: C6.2 U1.1 U1.6 U1.7 U1.8 | length 16.5
  Top Layer w0.2: v1(14.85,78.875) 16.357,78.875 U1.1@16.675,79.193 ; U1.6@19.125,79.143 U1.6@19.175,79.193 19.175,78.1 19.675,77.6 ; U1.7@19.675,79.193 19.675,77.6 ; v1@20.175,77.607 v1(20.175,77.1) ; C6.2@21.525,79.2 20.182,79.2 U1.8@20.175,79.193 v1(20.175,77.1) ; 19.675,77.6 v1(20.175,77.1)
  Bottom Layer w0.2: v1@14.85,79.275 v1(14.85,78.875) 16,78.875 17.775,77.1 v1(20.175,77.1)
VCC_2: C16.2 U2.1 U2.6 U2.7 U2.8 | length 16.8
  Top Layer w0.2: v1(45.7,78.275) 47.282,78.275 U2.1@47.875,78.868 ; U2.6@50.375,78.868 50.375,78.125 50.875,77.625 ; U2.7@50.875,78.868 50.875,77.625 ; C16.2@53.575,80.95 51.493,78.868 U2.8@51.375,78.868 v1(51.375,77.125) 50.875,77.625
  Bottom Layer w0.2: v1(45.7,78.275) 46.85,77.125 v1(51.375,77.125)
VIN_1: C1.2 D1.3 J1_a.2 R1.2 U1.16 | length 13.8
  Top Layer w0.2: J1_a.2@10.975,77.725 10.975,76.9 11.2,76.675 13.45,76.675 R1.2@13.5,76.625 ; U1.16@16.668,83.4 U1.16@16.675,83.407
  Top Layer w0.5: J1_a.2@10.975,77.725 10.975,78.35 11.425,78.8 12.625,78.8 13.175,79.35 13.175,80.05 D1.3@12.45,80.775 12.45,81.075 C1.2@14.775,83.4 U1.16@16.575,83.4
VIN_2: C11.2 D3.3 J2_a.2 R5.2 U2.16 | length 15.4
  Top Layer w0.5: R5.2@39.625,77.6 D3.3@39.625,79.525 ; J2_a.2@43.2,78.95 40.2,78.95 D3.3@39.625,79.525 ; U2.16@47.775,83.082 46.457,83.082 43.725,80.35 40.4,80.35 D3.3@39.6,79.55 D3.3@39.625,79.525
VIN_3: C21.2 D5.3 J3_a.2 R9.2 U3.16 | length 15.8
  Top Layer w0.5: R9.2@65.995,78.117 65.95,78.161 D5.3@65.95,80.2 66.4,79.75 C21.2@69.85,79.75 ; J3_a.2@69.475,76.85 69.475,79.375 C21.2@69.85,79.75 ; U3.16@73.375,83.782 72.282,83.782 71.775,83.275 71.775,80.925 70.6,79.75 C21.2@69.85,79.75
VOUT_1: D2.A J1_OUT.2 | length 6.7
  Top Layer w0.2: D2.A@24.025,83.5 24.025,83.9 24.525,84.4 26.303,84.4 26.5,84.597 26.5,85.975 25.875,86.6 J1_OUT.2@24.625,86.6
VOUT_2: D4.A J2_OUT.2 | length 2.5
  Top Layer w0.2: D4.A@58.2,81.525 59.6,82.925 J2_OUT.2@59.6,83.45
VOUT_3: D6.A J3_OUT.2 | length 4
  Top Layer w0.2: J3_OUT.2@85.6,83 87.075,83 87.575,82.5 D6.A@87.575,80.675
XTAL1: IC3.34 Y1.2 | length 4.8
  Top Layer w0.2: Y1.2@66.484,36.325 66.484,37.618 67.638,38.772 67.638,40.568 IC3.34@67.588,40.618
XTAL2: IC3.33 Y1.1 | length 5.1
  Top Layer w0.2: Y1.1@65.3,36.325 65.3,37 67.15,38.85 67.15,39.754 67.138,39.766 67.138,40.568 IC3.33@67.088,40.618
pads on no net: IC3.4 IC3.9 IC3.14 IC3.28 IC3.29 IC3.47 IC3.48 IC3.49 IC3.67 IC3.68 IC3.79 M1.1 M1.8 POWER.1 POWER.8 RN1.7 RN1.8 RN6.5 RN6.6 RN7.1 RN7.6 RN7.7 RN7.8 U1.9 U2.9 U3.9 U4.5 U4.12 U4.13 U7A.1 U7A.4 U7A.5 U7A.6 U7A.7 U7A.8 U7A.9 U7A.10 U7A.11 U7A.26 U7A.27 U7A.28 U7A.29 U7A.30 U7A.31 U7A.32

## Polygon pours and split planes (outlines as drawn)
GND on Bottom Layer "Top-GND" (solid, pour order 4): 0,90 0,0 96,0 96,90
GND on Top Layer "Top-GND" (solid, pour order 2): -0.005,89.992 -0.005,-0.008 95.995,-0.008 95.995,89.992

## Keep-outs
Keep-Out Layer:
  lines w0.3: 3.9,80.9 1.3,78.3 1.3,11.9 3.95,9.25 ; 9.1,86.1 11.7,88.7 84.3,88.7 86.9,86.1 ; 9.25,3.95 11.9,1.3 84.02,1.3 86.69,3.97 ; 92.03,9.31 94.7,11.98 94.7,78.3 92.1,80.9

## Silkscreen, mask and mechanical layers (free items; w line width, h text height)
Top Overlay:
  lines w0.254: 3.9,80.9 1.3,78.3 1.3,11.9 3.9,9.3 ; 9.1,86.1 11.7,88.7 84.3,88.7 86.9,86.1 ; 9.25,3.95 11.9,1.3 84.02,1.3 86.69,3.97 ; 12.05,88.15 11.725,88.15 ; 92.03,9.31 94.7,11.98 94.7,78.3 92.1,80.9 ; 3.9,9.3 3.9,9.3 ; 11.725,88.15 1.925,78.35 1.925,73.825 1.95,73.8 3.6,73.8 26.925,73.8 26.925,88.15 11.725,88.15 ; 6.35,8 9.125,5.225 36.475,5.225 36.475,17.225 6.35,17.225 6.35,8 ; 30.875,31.375 38.875,31.375 38.875,36.375 30.875,36.375 30.875,31.375 ; 36.025,74.425 58.45,74.425 61.3,77.275 61.3,88.05 36.025,88.05 36.025,74.425 ; 54.7,2.475 54.7,13.45 56.6,15.35 60.725,19.475 84.9,19.475 87.3,17.075 87.3,6.15 83.625,2.475 54.7,2.475 ; 62.545,74.442 89.825,74.442 89.825,82.325 84.15,88 77.803,88 62.545,88 62.545,74.442
  text "GND" at 2.575,52.2 h0.5
  text "D-" at 2.825,50.95 h0.5
  text "D+" at 2.825,49.7 h0.5
  text "VCC" at 2.575,48.45 h0.5
  text "SD" at 2.7,23.625 h0.5
  text "3V3" at 6.575,17.8 h0.5
  text "5V" at 55.8,16.4 h0.5
  text "UPCNSL-ABS-FLS-ARD_v1" at 12.05,2.375 h1.52
Mechanical 3:
  lines w2: -1,0 ccw(c0,0) 0,-1 ; -1,0 ccw(c0,0) 0,-1 ; -1,0 ccw(c0,0) 0,-1 ; -1,0 ccw(c0,0) 0,-1 ; -1,0 -1,90 ; -1,0 -1,90 ; -1,90 cw(c0,90) 0,91 ; -1,90 cw(c0,90) 0,91 ; -1,90 cw(c0,90) 0,91 ; -1,90 cw(c0,90) 0,91 ; 0,-1 96,-1 ; 0,-1 96,-1 ; 0,91 96,91 ; 0,91 96,91 ; 96,-1 ccw(c96,0) 97,0 ; 96,-1 ccw(c96,0) 97,0 ; 96,-1 ccw(c96,0) 97,0 ; 96,-1 ccw(c96,0) 97,0 ; 96,91 cw(c96,90) 97,90 ; 96,91 cw(c96,90) 97,90 ; 96,91 cw(c96,90) 97,90 ; 96,91 cw(c96,90) 97,90 ; 97,0 97,90 ; 97,0 97,90

## Text inside footprints (layer, text, board x,y; h text height)
ADCH: Top Overlay "A15" at 85.863,25.046 h0.5 r90; Top Overlay "A14" at 83.323,25.046 h0.5 r90; Top Overlay "A13" at 80.783,25.046 h0.5 r90; Top Overlay "A12" at 78.243,25.046 h0.5 r90; Top Overlay "A11" at 75.703,25.046 h0.5 r90; Top Overlay "A10" at 73.163,25.046 h0.5 r90; Top Overlay "A9" at 70.623,25.046 h0.5 r90; Top Overlay "A8" at 68.083,25.046 h0.5 r90
ADCL: Top Overlay "A7" at 63.003,25.046 h0.5 r90; Top Overlay "A6" at 60.463,25.046 h0.5 r90; Top Overlay "A5" at 57.923,25.046 h0.5 r90; Top Overlay "A4" at 55.383,25.046 h0.5 r90; Top Overlay "A3" at 52.843,25.046 h0.5 r90; Top Overlay "A2" at 50.303,25.046 h0.5 r90; Top Overlay "A1" at 47.763,25.046 h0.5 r90; Top Overlay "A0" at 45.223,25.046 h0.5 r90
COMMUNICATION: Top Overlay "SCL 21" at 80.783,67.222 h0.5 r90; Top Overlay "SDA 20" at 78.243,67.055 h0.5 r90; Top Overlay "RX1 19" at 75.703,67.222 h0.5 r90; Top Overlay "TX1 18" at 73.163,67.222 h0.5 r90; Top Overlay "RX2 17" at 70.623,67.139 h0.5 r90; Top Overlay "TX2 16" at 68.083,67.139 h0.5 r90; Top Overlay "RX3 15" at 65.543,67.139 h0.5 r90; Top Overlay "TX3 14" at 63.003,67.139 h0.5 r90
JP1: Top Overlay "AREF" at 18.299,68.028 h0.5 r90; Top Overlay "GND" at 20.839,68.528 h0.5 r90; Top Overlay "13" at 23.379,69.111 h0.5 r90; Top Overlay "12" at 25.919,69.111 h0.5 r90; Top Overlay "11" at 28.459,69.278 h0.5 r90; Top Overlay "10" at 30.999,69.111 h0.5 r90; Top Overlay "9" at 33.539,69.528 h0.5 r90; Top Overlay "8" at 36.079,69.528 h0.5 r90
POWER: Top Overlay "IOREF" at 24.903,25.046 h0.5 r90; Top Overlay "RESET" at 27.443,25.046 h0.5 r90; Top Overlay "3.3V" at 29.983,25.046 h0.5 r90; Top Overlay "5V" at 32.523,25.046 h0.5 r90; Top Overlay "GND" at 35.063,25.046 h0.5 r90; Top Overlay "GND" at 37.603,25.046 h0.5 r90; Top Overlay "Vin" at 40.143,25.046 h0.5 r90
PWML: Top Overlay "RX0 0" at 57.923,67.335 h0.5 r90; Top Overlay "TX0 1" at 55.383,67.501 h0.5 r90; Top Overlay "2" at 52.843,69.334 h0.5 r90; Top Overlay "3" at 50.303,69.334 h0.5 r90; Top Overlay "4" at 47.763,69.334 h0.5 r90; Top Overlay "5" at 45.223,69.334 h0.5 r90; Top Overlay "6" at 42.683,69.334 h0.5 r90; Top Overlay "7" at 40.143,69.334 h0.5 r90
XIO: Top Overlay "GND" at 92.471,28.098 h0.5; Top Overlay "GND" at 84.953,28.098 h0.5; Top Overlay "SS" at 92.471,30.638 h0.5; Top Overlay "SCK" at 84.953,30.638 h0.5; Top Overlay "MOSI" at 92.471,33.178 h0.5; Top Overlay "MISO" at 84.537,33.178 h0.5; Top Overlay "49" at 92.471,35.718 h0.5; Top Overlay "48" at 85.453,35.718 h0.5; Top Overlay "47" at 92.471,38.258 h0.5; Top Overlay "46" at 85.453,38.258 h0.5; Top Overlay "45" at 92.471,40.798 h0.5; Top Overlay "44" at 85.453,40.798 h0.5; Top Overlay "43" at 92.471,43.338 h0.5; Top Overlay "42" at 85.453,43.338 h0.5; Top Overlay "41" at 92.471,45.878 h0.5; Top Overlay "40" at 85.453,45.878 h0.5; Top Overlay "39" at 92.471,48.418 h0.5; Top Overlay "38" at 85.453,48.418 h0.5; Top Overlay "37" at 92.471,50.958 h0.5; Top Overlay "36" at 85.453,50.958 h0.5; Top Overlay "35" at 92.471,53.498 h0.5; Top Overlay "34" at 85.453,53.498 h0.5; Top Overlay "33" at 92.471,56.038 h0.5; Top Overlay "32" at 85.453,56.038 h0.5; Top Overlay "31" at 92.471,58.578 h0.5; Top Overlay "30" at 85.453,58.578 h0.5; Top Overlay "29" at 92.471,61.118 h0.5; Top Overlay "28" at 85.453,61.118 h0.5; Top Overlay "27" at 92.471,63.658 h0.5; Top Overlay "26" at 85.453,63.658 h0.5; Top Overlay "25" at 92.471,66.198 h0.5; Top Overlay "24" at 85.453,66.198 h0.5; Top Overlay "23" at 92.471,68.738 h0.5; Top Overlay "22" at 85.453,68.738 h0.5; Top Overlay "5V" at 92.471,71.278 h0.5; Top Overlay "5V" at 85.453,71.278 h0.5